# Altium PCB PCB_v1.PcbDoc (part 5 of 8)
Units mil, origin at the board's own origin, x right, y up, seen from the top; angles counter-clockwise.
Board outline 17000 x 5250 mil, 4 copper layers (Top Side, Ground Layer, Power Layer, Bottom Side), stack 33.2 mil thick; 637 components, 583 nets, 2779 pads, 978 vias.
Unrouted connection lines stored in the file: 104.
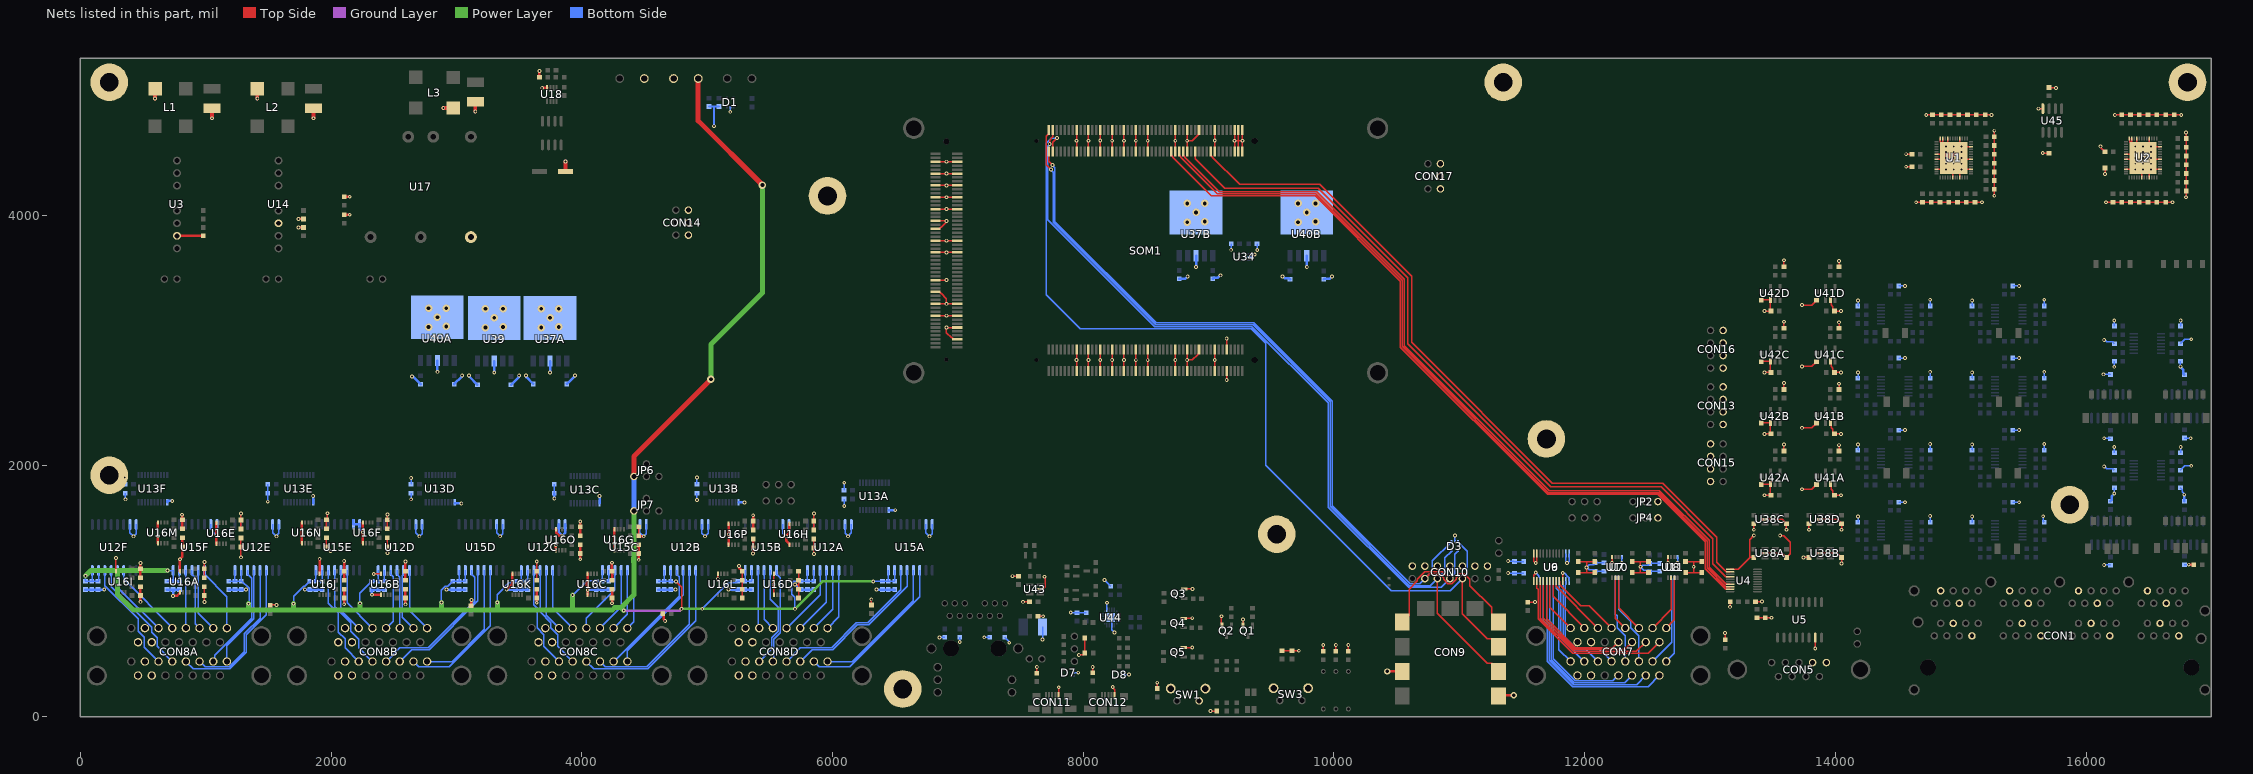
[diagram p7: the nets of this part, all layers, seen from the top]

## Via types
v1: diameter 30, hole 15, Top Side to Bottom Side, 913 vias
v2: diameter 25, hole 15, Top Side to Bottom Side, 30 vias
v3: diameter 60, hole 30, Top Side to Bottom Side, 29 vias
v4: diameter 50, hole 28, Top Side to Bottom Side, 4 vias
v5: diameter 40, hole 20, Top Side to Bottom Side, 2 vias

## Nets (pads, with @x,y where several pads share a name; then routed paths per layer and width w, separated by ;. In a path a pad name is that pad's centre, name@x,y a point inside that pad or via, vN(x,y) a via of type N, cw(c..) or ccw(c..) an arc to the next point about the centre after c; other vN are vias at no path point) (continued)
GND: C1.2 C2.2 C3.2 C4.2 C5.2 C6.2 C7.2 C8.2 C9.2 C10.2 C11.2 C12.2 C13.2 C14.2 C15.2 C16.2 C17.2 C18.2 C19.2 C20.2 C21.2 C22.2 C23.2 C24.2 C25.2 C26.2 C27.2 C28.2 C29.2 C30.2 C31.2 C32.2 C33.2 C34.2 C35.2 C36.2 C37.2 C38.2 C39.2 C40.2 C41.2 C42.2 C43.2 C44.2 C45.2 C46.2 C47.1 C48A.1 C48B.1 C48C.1 C48D.1 C48E.1 C48F.1 C48G.1 C48H.1 C49.2 C50.1 C51.1 C52.1 C53.2 C54.2 C55.2 C56.2 C57.1 C58.1 C59.1 C60.1 C61.2 C62.2 C63.2 C64.2 C65.2 C66.2 C67.2 C68.2 C69.2 C70.2 C71.2 C72.2 C73.2 C74.2 C75.2 C76.2 C77.2 C78.2 C79.2 C80.2 C81.2 C82.2 C83.2 C84.2 C85.2 C86.2 C88.1 C89A.2 C89B.2 C89C.2 C89D.2 C89E.2 C89F.2 C89G.2 C89H.2 C89I.2 C89J.2 C89K.2 C89L.2 C89M.2 C89N.2 C89O.2 C89P.2 C90A.2 C90B.2 C90C.2 C90D.2 C90E.2 C90F.2 C90G.2 C90H.2 C90I.2 C90J.2 C90K.2 C90L.2 C90M.2 C90N.2 C90O.2 C90P.2 C91A.2 C91B.2 C91C.2 C91D.2 C91E.2 C91F.2 C92A.2 C92B.2 C92C.2 C92D.2 C92E.2 C92F.2 C93A.2 C93B.2 C93C.2 C93D.2 C93E.2 C93F.2 C93G.2 C93H.2 C93I.2 C93J.2 C93K.2 C93L.2 C93M.2 C93N.2 C93O.2 C93P.2 C94A.2 C94B.2 C94C.2 C94D.2 C94E.2 C94F.2 C94G.2 C94H.2 C94I.2 C94J.2 C94K.2 C94L.2 C94M.2 C94N.2 C94O.2 C94P.2 C95A.2 C95B.2 C95C.2 C95D.2 C95E.2 C95F.2 C96A.2 C96B.2 C96C.2 C96D.2 C96E.2 C96F.2 C97A.2 C97B.2 C97C.2 C97D.2 C97E.2 C97F.2 C98A.2 C98B.2 C98C.2 C98D.2 C98E.2 C98F.2 C99A.2 C99B.2 C99C.2 C99D.2 C99E.2 C99F.2 C100A.2 C100B.2 C100C.2 C100D.2 C100E.2 C100F.2 C157A.2 C157B.2 C158A.2 C158B.2 C159A.2 C159B.2 C159C.2 C159D.2 C160A.2 C160B.2 C160C.2 C160D.2 C161.2 C162.2 C163A.2 C163B.2 C164A.2 C164B.2 C165A.1 C165B.1 C165C.1 C165D.1 C166A.1 C166B.1 C166C.1 C166D.1 C167A.2 C167B.2 C167C.2 C167D.2 C168A.2 C168B.2 C168C.2 C168D.2 C169.1 C170.1 C171.1 C172.2 C173.2 C174.1 C175.1 C176.1 C177.2 C178.2 C179A.2 C179B.2 C180A.2 C180B.2 C181A.1 C181B.1 C182A.2 C182B.2 C183A.2 C183B.2 C184A.2 C184B.2 C185A.1 C185B.1 C186A.2 C186B.2 C187A.2 C187B.2 C188A.2 C188B.2 C189A.2 C189B.2 C189C.2 C189D.2 C189E.2 C189F.2 C189G.2 C189H.2 C190A.2 C190B.2 C190C.2 C190D.2 C190E.2 C190F.2 C190G.2 C190H.2 CON1.4A CON1.4B CON1.4C CON1.4D CON1.4E CON1.4F CON1.4G CON1.4H CON1.6A CON1.6B CON1.6C CON1.6D CON1.6E CON1.6F CON1.6G CON1.6H CON3.2 CON5.1 CON5.2 CON7.14A CON7.14B CON7.15A CON7.15B CON8A.7A CON8A.7B CON8A.14A CON8A.14B CON8A.15A CON8A.15B CON8B.7A CON8B.7B CON8B.14A CON8B.14B CON8B.15A CON8B.15B CON8C.7A CON8C.7B CON8C.14A CON8C.14B CON8C.15A CON8C.15B CON8D.7A CON8D.7B CON8D.14A CON8D.14B CON8D.15A CON8D.15B CON9.1 CON9.10 CON10.1 CON10.3 CON10.5 CON10.7 CON10.9 CON10.11 CON10.13 CON11.5 CON12.5 CON13.2 CON13.4 CON13.6 CON13.8 CON14.2 CON14.4 CON14.6 CON15.2 CON15.4 CON15.6 CON15.8 CON16.2 CON16.4 CON16.6 CON16.8 CON17.2 CON17.4 CON17.6 D1.2 D3.2 D7.2 D8.2 JP2.1 JP4.1 LED3.C MH1.1 MH2.1 MH3.1 MH4.1 MH5.1 MH6.1 MH7.1 MH8.1 MH9.1 Q1.2 Q2.2 Q3.2 Q4.2 Q5.2 R1.1 R2.1 R3.1 R17.1 R18.1 R20.1 R21.1 R22.1 R23.2 R24.1 R25.2 R26A.1 R26B.1 R26C.1 R26D.1 R39A.1 R39B.1 R39C.1 R39D.1 R40A.2 R40B.2 R40C.2 R40D.2 R46.2 R53.2 SOM1.JX1-15 SOM1.JX1-16 SOM1.JX1-21 SOM1.JX1-22 SOM1.JX1-27 SOM1.JX1-28 SOM1.JX1-33 SOM1.JX1-34 SOM1.JX1-39 SOM1.JX1-40 SOM1.JX1-45 SOM1.JX1-46 SOM1.JX1-51 SOM1.JX1-52 SOM1.JX1-65 SOM1.JX1-66 SOM1.JX1-71 SOM1.JX1-72 SOM1.JX1-77 SOM1.JX1-85 SOM1.JX1-86 SOM1.JX1-95 SOM1.JX1-96 SOM1.JX1-97 SOM1.JX1-98 SOM1.JX1-99 SOM1.JX1-100 SOM1.JX2-15 SOM1.JX2-16 SOM1.JX2-21 SOM1.JX2-22 SOM1.JX2-27 SOM1.JX2-28 SOM1.JX2-33 SOM1.JX2-34 SOM1.JX2-39 SOM1.JX2-40 SOM1.JX2-45 SOM1.JX2-46 SOM1.JX2-51 SOM1.JX2-52 SOM1.JX2-65 SOM1.JX2-66 SOM1.JX2-71 SOM1.JX2-72 SOM1.JX2-77 SOM1.JX2-85 SOM1.JX2-86 SOM1.JX2-91 SOM1.JX2-92 SOM1.JX3-6 SOM1.JX3-12 SOM1.JX3-17 SOM1.JX3-18 SOM1.JX3-23 SOM1.JX3-24 SOM1.JX3-29 SOM1.JX3-35 SOM1.JX3-49 SOM1.JX3-50 SOM1.JX3-55 SOM1.JX3-56 SOM1.JX3-61 SOM1.JX3-65 SOM1.JX3-71 SOM1.JX3-72 SOM1.JX3-77 SOM1.JX3-78 SOM1.JX3-83 SOM1.JX3-84 SOM1.JX3-89 SOM1.JX3-90 SOM1.JX3-95 SOM1.JX3-96 SW1.2 SW1.SH SW3.SH U1.3 U1.7 U1.12 U1.18 U1.23 U1.25 U1.26 U1.32 U1.34 U1.38 U1.46 U1.49 U1.53 U2.3 U2.7 U2.12 U2.18 U2.23 U2.25 U2.26 U2.32 U2.34 U2.38 U2.46 U2.49 U2.53 U3.7 U4.11 U5.7 U6.11 U6.12 U6.13 U6.22 U7.4 U8.4 U9.11 U9.12 U9.13 U9.22 U10.4 U11.4 U12A.7 U12A.8 U12B.7 U12B.8 U12C.7 U12C.8 U12D.7 U12D.8 U12E.7 U12E.8 U12F.7 U12F.8 U13A.11 U13B.11 U13C.11 U13D.11 U13E.11 U13F.11 U14.6 U15A.7 U15A.8 U15B.7 U15B.8 U15C.7 U15C.8 U15D.7 U15D.8 U15E.7 U15E.8 U15F.7 U15F.8 U16A.4 U16A.5 U16B.4 U16B.5 U16C.4 U16C.5 U16D.4 U16D.5 U16E.4 U16E.5 U16F.4 U16F.5 U16G.4 U16G.5 U16H.4 U16H.5 U16I.4 U16J.4 U16K.4 U16L.4 U16M.4 U16M.5 U16N.4 U16N.5 U16O.4 U16O.5 U16P.4 U16P.5 U17.4 U34.2 U37A.3 U37A.6 U37B.3 U37B.6 U38A.2 U38B.2 U38C.2 U38D.2 U39.3 U39.6 U40A.3 U40A.6 U40B.3 U40B.6 U41A.2 U41B.2 U41C.2 U41D.2 U42A.1 U42B.1 U42C.1 U42D.1 U43.2 U44.3 U44.12 U44.21 U45.4 | length 39573.9
  Top Side w10: U16I.4@283.23,1157.87 v1(283.23,1265.31) ; v1(988.46,912.85) C94A.2@988.46,1036.67 ; C89A.2@988.46,1108.33 v1(988.46,1233.46) ; v1(1280.24,1270.24) C94E.2@1280.24,1424.56 ; C89E.2@1280.24,1496.23 v1(1280.24,1619.76) ; R26A.1@1514.76,888.59 1516.18,890 1564,890 v1@1565,889 ; C94N.2@1962.35,1426.67 C90N.2@1962.35,1355 1995.71,1321.64 v1(1995.71,1318.92) ; C89N.2@1962.35,1498.33 C93N.2@1962.35,1570 1970,1577.65 v1@1970,1615 ; v1(2340,1137.87) U16B.4@2397.46,1137.87 ; C94F.2@2448.46,1426.67 C90F.2@2448.46,1355 2448.65,1354.82 v1(2448.65,1305) ; C89F.2@2448.46,1498.33 v1(2448.46,1611.54) ; C89K.2@3640.53,1088.33 v1(3640.53,1236.54) ; C89G.2@4454,1443.33 C93G.2@4454,1515 ; v1(5084.91,1099.91) U16L.4@5084.91,1137.87 ; C90L.2@5280.14,945 C93L.2@5280.14,1160 ; v1(5530,1052.4) 5531.61,1050.79 5531.61,973.72 U16D.5@5533.23,972.11 ; v1@5533.23,1050 5531.61,1051.61 5531.61,1136.26 U16D.4@5533.23,1137.87 ; v1(5700,1052.4) 5700.1,1052.5 5728.46,1052.5 ; C90D.2@5728.46,945 5728.46,1052.5 ; C93D.2@5728.46,1160 5728.46,1052.5 ; v1(5851,1296) C94H.2@5851,1416.23 ; C89H.2@5851,1487.89 C93H.2@5851,1559.56 v1(5851,1620) ; v1(6309.69,935) 6309.69,889.59 R26D.1@6310,889.28 ; SOM1.JX3-17@6821.69,3198.2 v1(6908.31,3198.2) SOM1.JX3-18@6994.92,3198.2 ; SOM1.JX3-23@6821.69,3292.69 v1(6908.31,3292.69) ; SOM1.JX3-29@6821.69,3387.18 6851.69,3387.18 6863.19,3375.68 6865.84,3375.68 6908.31,3333.21 v1(6908.31,3292.69) ; SOM1.JX3-35@6821.69,3481.67 v1(6908.31,3481.66) ; SOM1.JX3-49@6821.69,3702.14 v1(6908.31,3702.14) SOM1.JX3-50@6994.92,3702.14 ; SOM1.JX3-55@6821.69,3796.63 v1(6908.31,3796.63) SOM1.JX3-56@6994.92,3796.62 ; SOM1.JX3-61@6821.69,3891.11 6851.69,3891.11 6863.19,3902.61 6865.84,3902.61 6904.48,3941.25 6904.48,3950.28 v1(6908.31,3954.11) SOM1.JX3-65@6821.69,3954.11 ; SOM1.JX3-71@6821.69,4048.59 v1(6908.31,4048.59) SOM1.JX3-72@6994.92,4048.59 ; SOM1.JX3-77@6821.69,4143.08 v1(6908.31,4143.08) SOM1.JX3-78@6994.92,4143.08 ; SOM1.JX3-83@6821.69,4237.57 v1(6908.31,4237.57) SOM1.JX3-84@6994.92,4237.57 ; SOM1.JX3-89@6821.69,4332.06 v1(6908.31,4332.06) SOM1.JX3-90@6994.92,4332.06 ; SOM1.JX3-95@6821.69,4426.55 v1(6908.31,4426.54) SOM1.JX3-96@6994.92,4426.54 ; SOM1.JX3-6@6994.92,3009.22 6964.92,3009.22 6953.43,3020.72 6950.78,3020.72 6908.31,3063.19 v1(6908.31,3103.71) SOM1.JX3-12@6994.92,3103.71 ; SOM1.JX3-24@6994.92,3292.69 v1(6908.31,3292.69) ; v1(7435,1120) 7483.46,1120 R24.1@7483.7,1120.24 ; v1(7520,915) C169.1@7571.54,915 ; R46.2@7630,346.5 v1(7630,395) ; C171.1@7638.46,800 v1(7680,800) ; U43.2@7657.32,1015 7675.04,1015 7695.87,1035.83 7695.87,1103.69 7689.97,1109.59 v1(7689.97,1115) ; CON11.5@7803.54,167.4 7804.39,168.25 v1(7804.39,234.15) ; SOM1.JX2-16@7947.13,2756.77 v1(7947.13,2845) SOM1.JX2-15@7947.13,2930 ; SOM1.JX1-16@7947.13,4506.77 v1(7947.13,4593.39) SOM1.JX1-15@7947.13,4680 ; v1(7965,490) 7967.87,492.87 7999.09,492.87 C173.2@8012.8,506.57 C172.2@8012.8,626.57 ; SOM1.JX2-22@8041.61,2756.77 v1(8041.61,2845) SOM1.JX2-21@8041.61,2930 ; SOM1.JX1-22@8041.61,4506.77 v1(8041.61,4593.39) SOM1.JX1-21@8041.61,4680 ; v1(8075,395) 8075,351.3 R53.2@8076.26,350.04 ; SOM1.JX2-28@8136.1,2756.77 v1(8136.1,2845) SOM1.JX2-27@8136.1,2930 ; SOM1.JX1-28@8136.1,4506.77 v1(8136.1,4595) SOM1.JX1-27@8136.1,4680 ; SOM1.JX2-34@8230.59,2756.77 v1(8230.59,2845) SOM1.JX2-33@8230.59,2930 ; SOM1.JX1-34@8230.59,4506.77 v1(8230.59,4593.39) SOM1.JX1-33@8230.59,4680 ; v1(8235,235) 8235,229.59 8250.91,213.68 CON12.5@8250.91,167.4 ; SOM1.JX2-40@8325.08,2756.77 v1(8325.08,2845) SOM1.JX2-39@8325.08,2930 ; SOM1.JX1-40@8325.08,4506.77 v1(8325.08,4593.39) SOM1.JX1-39@8325.08,4680 ; SOM1.JX2-46@8419.57,2756.77 v1(8419.57,2843.39) SOM1.JX2-45@8419.57,2930 ; SOM1.JX1-46@8419.57,4506.77 v1(8419.57,4593.39) SOM1.JX1-45@8419.57,4680 ; SOM1.JX2-52@8514.05,2756.77 v1(8514.06,2843.39) SOM1.JX2-51@8514.06,2930 ; SOM1.JX1-52@8514.05,4506.77 v1(8514.06,4593.39) SOM1.JX1-51@8514.06,4680 ; C50.1@8590,223.46 v1(8590,270.14) ; SOM1.JX2-66@8734.53,2756.77 v1(8734.53,2845) SOM1.JX2-65@8734.53,2930 ; SOM1.JX1-66@8734.53,4506.77 v1(8734.53,4593.38) SOM1.JX1-65@8734.53,4680 ; Q5.2@8800.6,549.8 v1(8869.26,549.8) ; Q4.2@8800.6,783.22 8801.39,784.01 8868.47,784.01 v1(8869.26,784.8) ; Q3.2@8804.96,1017.2 8806.26,1018.5 v1(8870.98,1018.5) v1@8872.28,1019.8 ; SOM1.JX2-72@8829.01,2756.77 v1(8829.02,2845) ; SOM1.JX2-71@8829.02,2930 v1(8829.02,2845) ; SOM1.JX1-72@8829.01,4506.77 v1(8829.02,4593.39) ; SOM1.JX1-71@8829.02,4680 v1(8829.02,4593.39) ; SOM1.JX2-77@8923.5,2930 8923.5,2900 8912.01,2888.5 8912.01,2885.86 8871.15,2845 v1(8829.02,2845) ; SOM1.JX1-77@8923.5,4680 8923.5,4650 8912.01,4638.5 8912.01,4635.86 8869.54,4593.39 v1(8829.02,4593.39) ; v1(9015,44.13) LED3.C@9065,44.13 ; SOM1.JX2-86@9049.49,2756.77 v1(9049.49,2845) SOM1.JX2-85@9049.49,2930 ; SOM1.JX1-86@9049.49,4506.77 v1(9049.49,4595) SOM1.JX1-85@9049.49,4680 ; v1(9102.35,800) 9102.35,805 9102.35,742.77 9106.34,738.78 Q2.2@9106.34,725 ; v1(9143.97,2685) SOM1.JX2-92@9143.97,2756.77 ; SOM1.JX2-91@9143.98,2930 v1(9143.97,3015) ; SOM1.JX1-96@9206.97,4506.77 v1(9206.97,4593.38) ; SOM1.JX1-95@9206.97,4680 v1(9206.97,4593.38) ; SOM1.JX1-98@9238.46,4506.77 9238.46,4593.39 ; SOM1.JX1-97@9238.46,4680 9238.46,4593.39 ; SOM1.JX1-100@9269.96,4506.77 v1(9269.96,4593.39) ; SOM1.JX1-99@9269.96,4680 v1(9269.96,4593.39) ; v1(9275,775) 9275.67,774.33 9275.67,725.67 Q1.2@9276.34,725 ; R18.1@9585,526.06 C52.1@9665,526.06 9666.06,525 v1(9720,525) ; R22.1@9915,521.06 v1(9915,570) ; R21.1@10015,521.06 v1(10015,570) ; R20.1@10115,521.06 v1(10115,570) ; R25.2@11547.37,912.85 11547.51,912.98 v1(11605,912.98) ; U6.13@11594.25,1079.76 11594.25,1128.84 11610,1144.59 v1(11610,1150) ; U6.12@11594.25,1300.24 11594.25,1240.75 v1(11610,1225) 11614.25,1229.25 11614.25,1233.81 11619.84,1239.4 U6.11@11619.84,1300.24 ; U6.22@11824.57,1079.76 11824.78,1079.98 11824.78,1144.78 v1(11825,1145) ; C61.2@11950,1148.46 12015,1148.46 ; C64.2@11950,1236.54 12015,1236.54 ; C63.2@12080,1148.46 12015,1148.46 ; C62.2@12080,1236.54 12015,1236.54 ; v1(12219.21,1226.54) U7.4@12219.21,1272.88 ; C67.2@12380,1148.46 12445,1148.46 ; C68.2@12380,1236.54 12445,1236.54 ; C65.2@12510,1148.46 12445,1148.46 ; C66.2@12510,1236.54 12445,1236.54 ; v1(12665,1226.54) U8.4@12665,1272.88 ; C70.2@12805,1236.54 12870,1236.54 ; C69.2@12805.59,1148.46 12870,1148.46 ; C71.2@12935,1148.46 12870,1148.46 ; C72.2@12935,1236.54 12870,1236.54 ; R23.2@13120.87,612.52 v1(13120.87,666.16) ; v1(13160,875) 13160,914.49 C56.2@13160.75,915.24 ; U4.11@13160.75,1173.82 13226.94,1173.82 13322.06,1268.94 ; C159A.2@13350,1268.94 13322.06,1268.94 ; v1(13350,1445) 13316.21,1411.21 13316.21,1274.79 13322.06,1268.94 ; v1(13350,1490) C159C.2@13350,1538.94 ; C54.2@13363.46,915.24 13365,916.77 v1(13415,916.77) ; C55.2@13375,788.19 v1(13490,788.19) ; C168A.2@13410,1851.54 13411.89,1853.43 U42A.1@13482.6,1853.43 13482.6,1768.94 C167A.2@13486.54,1765 v1(13435,1765) ; C168B.2@13410,2341.54 13411.89,2343.43 U42B.1@13482.6,2343.43 13482.6,2258.94 C167B.2@13486.54,2255 v1(13435,2255) ; C168C.2@13410,2831.54 13411.89,2833.43 U42C.1@13482.6,2833.43 13482.6,2748.94 C167C.2@13486.54,2745 v1(13435,2745) ; C168D.2@13410,3321.54 13411.89,3323.43 U42D.1@13482.6,3323.43 13482.6,3238.94 C167D.2@13486.54,3235 v1(13435,3235) ; U38A.2@13437.68,1302.4 13576.54,1302.4 C160A.2@13610,1268.94 13638.7,1297.64 13638.7,1391.65 13589.18,1441.17 13563.83,1441.17 v1(13560,1445) ; U38C.2@13437.68,1572.4 13576.54,1572.4 C160C.2@13610,1538.94 v1(13610,1490) ; R40A.2@13590,2118.46 v1(13590,2170) ; R40B.2@13590,2608.46 v1(13590,2660) ; R40C.2@13590,3098.46 v1(13590,3150) ; R40D.2@13590,3588.46 v1(13590,3640) ; v1(13735,1813) 13811.46,1813 C166A.1@13850,1851.54 ; v1(13735,2303) 13811.46,2303 C166B.1@13850,2341.54 ; v1(13735,2793) 13811.46,2793 C166C.1@13850,2831.54 ; v1(13735,3283) 13811.46,3283 C166D.1@13850,3321.54 ; v1(13746,1268.94) C159B.2@13790,1268.94 ; v1(13790,1490) C159D.2@13790,1538.94 ; v1(13840,543.03) U5.7@13840,629.52 ; U38B.2@13877.68,1302.4 14016.54,1302.4 C160B.2@14050,1268.94 v1(14050,1220) ; U38D.2@13877.68,1572.4 14016.54,1572.4 C160D.2@14050,1538.94 v1(14050,1490) ; U41A.2@13960,1853.43 13965.63,1847.8 13965.63,1814.41 13979.76,1800.28 13979.76,1778.7 C165A.1@13993.46,1765 v1(14045,1765) ; U41B.2@13960,2343.43 13965.63,2337.8 13965.63,2304.41 13979.76,2290.28 13979.76,2268.7 C165B.1@13993.46,2255 v1(14045,2255) ; U41C.2@13960,2833.43 13965.63,2827.8 13965.63,2794.41 13979.76,2780.28 13979.76,2758.7 C165C.1@13993.46,2745 v1(14045,2745) ; U41D.2@13960,3323.43 13965.63,3317.8 13965.63,3284.41 13979.76,3270.28 13979.76,3248.7 C165D.1@13993.46,3235 v1(14045,3235) ; R39A.1@14030,2118.46 v1(14030,2165) ; R39B.1@14030,2608.46 v1(14030,2655) ; R39C.1@14030,3098.46 v1(14030,3145) ; R39D.1@14030,3588.46 v1(14030,3635) ; v1(14565,4386.54) C10.2@14611.54,4386.54 ; v1(14565,4486.54) C5.2@14611.54,4486.54 ; v1(14645,4103.07) v1(15170,4103.07) ; v1(14725.16,4800) v1(15245,4800) ; U1.38@14809,4367.95 14856.42,4367.95 U1.53@14935.16,4446.69 ; U1.34@14809,4446.69 U1.53@14935.16,4446.69 ; U1.32@14809,4486.06 U1.53@14915.47,4486.06 ; U1.26@14836.73,4612.04 14837.73,4611.04 14837.73,4584.28 14856.42,4565.59 U1.53@14856.42,4565 ; U1.25@14856.42,4612.04 U1.53@14856.42,4565 ; U1.23@14895.79,4612.04 U1.53@14895.79,4505.75 ; U1.46@14935.16,4301.04 U1.53@14935.16,4446.69 ; U1.49@14994.21,4301.04 U1.53@14994.21,4407.32 ; U1.18@14994.21,4612.04 U1.53@14994.21,4505.75 ; U1.3@15081,4367.95 15033.58,4367.95 U1.53@14994.21,4407.32 ; U1.7@15081,4446.69 U1.53@14954.84,4446.69 ; U1.12@15081,4545.12 15033.58,4545.12 U1.53@14994.21,4505.75 ; v1(15268.46,4155) v1(15268.46,4674.33) ; v1(15620,4849.49) U45.4@15655.25,4849.49 ; v1(15655,4495) C178.2@15705,4495 ; C177.2@15705,5018.46 15708.46,5015 v1(15760,5015) ; v1(16115,4549.04) 16118.83,4545.21 16118.83,4539.24 C28.2@16151.54,4506.54 ; v1(16151.54,4329.27) C35.2@16151.54,4375.8 ; v1(16160,4103.07) v1(16690,4103.07) ; v1(16230,4800) v1(16760,4800) ; U2.38@16319,4367.95 16366.42,4367.95 U2.53@16445.16,4446.69 ; U2.34@16319,4446.69 U2.53@16445.16,4446.69 ; U2.32@16319,4486.06 U2.53@16425.47,4486.06 ; U2.26@16346.73,4612.04 16347.73,4611.04 16347.73,4584.28 16366.42,4565.59 U2.53@16366.42,4565 ; U2.25@16366.42,4612.04 U2.53@16366.42,4565 ; U2.23@16405.79,4612.04 U2.53@16405.79,4505.75 ; U2.46@16445.16,4301.04 U2.53@16445.16,4446.69 ; U2.49@16504.21,4301.04 U2.53@16504.21,4407.32 ; U2.18@16504.21,4612.04 U2.53@16504.21,4505.75 ; U2.3@16591,4367.95 16543.58,4367.95 U2.53@16504.21,4407.32 ; U2.7@16591,4446.69 U2.53@16464.84,4446.69 ; U2.12@16591,4545.12 16543.58,4545.12 U2.53@16504.21,4505.75 ; v1(16798.46,4143.08) v1(16798.46,4660) ; v1(9206.97,4593.38) 9238.46,4593.39 ; 9238.46,4593.39 v1(9269.96,4593.39) ; 12015,1148.46 12015,1236.54 ; 12445,1148.46 12445,1236.54 ; 12870,1148.46 12870,1236.54 ; U1.53@14856.42,4565 14856.42,4545.12 U1.53@14895.79,4505.75 ; U1.53@14895.79,4505.75 U1.53@14915.47,4486.06 ; U1.53@14915.47,4486.06 v2(14945,4456.54) ; U1.53@14935.16,4446.69 v2(14945,4456.54) ; v2(14945,4456.54) U1.53@14954.84,4446.69 ; v2(14945,4456.54) U1.53@14994.21,4505.75 ; U1.53@14954.84,4446.69 U1.53@14994.21,4407.32 ; U2.53@16366.42,4565 16366.42,4545.12 U2.53@16405.79,4505.75 ; U2.53@16405.79,4505.75 U2.53@16425.47,4486.06 ; U2.53@16425.47,4486.06 v2(16455,4456.54) ; U2.53@16445.16,4446.69 v2(16455,4456.54) ; v2(16455,4456.54) U2.53@16464.84,4446.69 ; v2(16455,4456.54) U2.53@16504.21,4505.75 ; U2.53@16464.84,4446.69 U2.53@16504.21,4407.32
  Top Side w20: v1(478.46,915) C94I.2@478.46,1036.67 ; C89I.2@478.46,1108.33 v1(478.46,1225) ; U16M.5@618.23,1382.11 U16M.4@618.23,1547.87 ; v1(738.31,961.69) 740.22,963.61 770.5,963.61 793.23,986.34 U16A.5@793.23,992.11 ; U3.7@770,3835.29 C47.1@980,3835.29 ; U16A.4@793.23,1157.87 793.23,1257.71 813.46,1277.94 C94M.2@813.46,1426.67 ; v1(810,1610) 811.73,1608.27 811.73,1571.73 C93M.2@813.46,1570 C89M.2@813.46,1498.33 ; U16E.5@1085,1380 U16E.4@1085,1545.77 ; v1(1740,3902.21) C49.2@1780,3902.21 ; v1(1740,3970) R2.1@1780,3970 ; U16N.4@1765,1545.77 U16N.4@1767.11,1547.87 U16N.5@1767.11,1382.11 ; U16J.4@1908.23,1137.87 v1(1908.23,1258.23) ; v1(2103.46,895.69) C94J.2@2103.46,1016.67 ; C89J.2@2103.46,1088.33 v1(2103.46,1240) ; C88.1@2103.46,4003.46 v1(2148.46,4003.46) ; R3.1@2103.46,4147.02 v1(2148.46,4147.02) ; U16F.5@2253.23,1382.11 U16F.4@2253.23,1547.87 ; v1(2325,972.11) U16B.5@2397.46,972.11 ; v1(2592.7,895) C94B.2@2592.7,1016.67 ; C89B.2@2592.7,1088.33 v1(2592.7,1236.54) ; R26B.1@3115.03,883.46 3118.09,886.52 3118.09,928.09 v1(3120,930) ; v1(3400,1012.83) 3445.3,1058.13 U16K.4@3445.3,1137.87 ; v1(3640.53,907.88) C94K.2@3640.53,1016.67 ; U16O.5@3792.24,1327.11 v1(3792.24,1367.76) ; U16O.4@3792.24,1492.87 3793.98,1491.14 3793.98,1469.75 3819.75,1443.98 3841.93,1443.98 v1(3843.84,1442.06) ; v1(3987.48,1255) C94O.2@3987.48,1371.67 ; C89O.2@3987.48,1443.33 v1(3987.48,1555) ; U16C.5@4045.38,972.11 4046.26,972.99 4046.26,1009.11 v1(4047.15,1010) 4047.15,1012.71 4045.38,1014.48 4045.38,1040.7 4038.5,1047.57 4038.5,1072.43 4045.38,1079.3 U16C.4@4045.38,1137.87 ; v1(4240,1226.54) 4240.31,1226.23 4240.31,1160.31 C93C.2@4240.61,1160 C89C.2@4240.61,1088.33 ; v1(4240.61,903.89) C94C.2@4240.61,1016.67 ; U16G.5@4258.76,1327.11 U16G.4@4258.76,1492.87 ; v1(4454,1250) C94G.2@4454,1371.67 ; C89G.2@4454,1443.33 4457.82,1439.51 4491.39,1439.51 v1(4493.31,1437.6) ; R26C.1@4645,820 4653.7,811.3 4653.7,774.92 4664.38,764.24 v1(4664.38,761.54) ; U16P.5@5171.41,1371.67 U16P.4@5171.41,1537.43 ; v1(5254.59,1200) 5256.5,1198.09 5256.5,1183.64 C93L.2@5280.14,1160 ; v1(5366,1300) 5366.32,1300.32 5366.32,1344.24 C90P.2@5366.65,1344.56 C94P.2@5366.65,1416.23 ; C89P.2@5366.65,1487.89 v1(5366.65,1605.58) ; U16H.5@5655.76,1371.67 5655.76,1377.43 5630.22,1402.98 5630.22,1435.69 v1(5628.31,1437.6) 5628.31,1440.3 5655.76,1467.76 U16H.4@5655.76,1537.43 ; v4(10425,360) CON9.10@10545,360 ; CON9.1@11312.72,163.15 11319.57,170 v4(11435,170) ; v1(16820,1211.54) 16820.77,1210.77 16859.23,1210.77 R1.1@16860,1210
  Bottom Side w10: v1(353.31,1907.6) 353.31,1855.46 C92F.2@356.17,1852.6 ; C91F.2@356.17,1782.6 358.31,1780.46 v1(358.31,1732.6) ; U12F.7@394.63,1532.09 394.63,1466.28 v1(423.31,1437.6) 444.63,1458.92 U12F.8@444.63,1532.09 ; U15F.7@1039.63,1533.62 1039.63,1502.13 1060.35,1481.4 1060.35,1471.71 v1(1085,1447.06) 1085,1452.47 1089.63,1457.11 U15F.8@1089.63,1533.62 ; v1(1494.24,1714.24) C92E.2@1494.24,1852.6 ; U12E.7@1532.7,1532.09 1532.7,1468.2 v1(1563.31,1437.6) 1563.31,1441.24 1582.7,1460.63 U12E.8@1582.7,1532.09 ; C91D.2@2637.31,1782.6 2638.31,1781.6 v1(2638.31,1732.6) ; C92D.2@2637.31,1852.6 2638.31,1853.6 v1(2638.31,1902.6) ; U12D.7@2675.77,1532.09 2675.38,1531.69 2675.38,1465.53 v1(2703.31,1437.6) 2725.38,1459.67 2725.38,1531.69 U12D.8@2725.77,1532.09 ; U15D.7@3320.77,1533.62 3320.38,1533.23 3320.38,1465.53 v1(3348.31,1437.6) 3370.38,1459.67 3370.38,1533.23 U15D.8@3370.77,1533.62 ; C91C.2@3780.38,1782.6 C92C.2@3780.38,1852.6 ; U15C.7@4463.84,1533.62 4463.84,1467.06 v1(4493.31,1437.6) 4493.31,1438.95 4513.84,1459.49 U15C.8@4513.84,1533.62 ; v1(4918.31,1907.6) 4918.31,1852.74 C92B.2@4918.45,1852.6 ; v1@4918.45,1727.74 4918.31,1727.88 4918.31,1782.46 C91B.2@4918.45,1782.6 ; U12B.7@4956.91,1532.09 4958.45,1530.55 4958.45,1462.46 v1(4983.31,1437.6) 5008.45,1462.74 5008.45,1530.55 U12B.8@5006.91,1532.09 ; U15B.7@5601.91,1533.62 5603.45,1532.09 5603.45,1462.46 v1(5628.31,1437.6) 5653.45,1462.74 5653.45,1532.09 U15B.8@5651.91,1533.62 ; C91A.2@6091.52,1734.96 6093.31,1733.17 v1(6093.31,1679.96) ; C92A.2@6091.52,1804.96 6093.31,1806.75 v1(6093.31,1864.96) ; U12A.7@6099.98,1532.09 6099.98,1460.92 v1(6123.31,1437.6) 6149.98,1464.28 U12A.8@6149.98,1532.09 ; U15A.7@6744.98,1533.62 6744.98,1465.92 v1(6773.31,1437.6) 6794.98,1459.28 U15A.8@6794.98,1533.62 ; v1(6853,630.59) 6893.62,630.59 C57.1@6895,631.97 ; C58.1@7015,631.97 7015.08,631.89 v1(7015.08,594) ; v1(7210,631.63) 7254.66,631.63 C59.1@7255,631.97 ; C60.1@7375,631.97 7406.17,600.8 7406.17,592.86 v1(7410,589.03) ; v1(7675,615) C170.1@7675,715 ; v1(7900,830) 7948.46,830 C175.1@7950,828.46 C174.1@8025,828.46 ; D7.2@7922.4,350 v1(7960,350) ; v1(8170,1090) 8170,1088.46 C176.1@8220,1038.46 ; U44.12@8189.41,850.83 v1(8189.41,907.88) ; U44.21@8228.78,799.84 U44.3@8228.78,728.98 8229.15,728.61 8229.15,691.58 8250,670.73 v1(8250,670) ; D8.2@8327.4,335 v1(8365,335) ; C86.2@9179.65,3771.54 9180,3771.18 v1(9180,3723.07) ; U34.2@9320.51,3666.54 9323.39,3669.41 9345.57,3669.41 9362.7,3686.54 v1(9368.11,3686.54) ; C85.2@9386.58,3771.54 9388.11,3770 v1(9388.11,3721.54) ; D3.2@10964.18,1397.4 10964.59,1397.81 10964.59,1444.59 v1(10965,1445) ; v1(11390,1145) 11438.46,1145 C75.2@11440,1143.46 C73.2@11515,1143.46 ; v1(11390,1240) 11436.54,1240 C76.2@11440,1236.54 C74.2@11515,1236.54 ; v1(11610,1150) 11635.75,1124.25 11635.75,1115.04 11645.43,1105.35 U9.22@11645.43,1079.76 ; v1(11825,1145) 11828.83,1141.17 11840.29,1141.17 11866.06,1115.4 11866.06,1115.04 11875.75,1105.35 U9.13@11875.75,1079.76 ; U9.11@11850.16,1300.24 11850.16,1239.4 11855.75,1233.81 11855.75,1229.25 v1(11860,1225) 11875.75,1240.75 U9.12@11875.75,1300.24 ; C77.2@12155,1158.46 C79.2@12085,1158.46 12071.3,1172.17 12038.25,1172.17 12020.41,1190 v1(12015,1190) 12037.83,1212.83 12071.3,1212.83 C80.2@12085,1226.54 C78.2@12155,1226.54 ; v1(12296.77,1226.54) U10.4@12296.77,1272.87 ; C83.2@12600,1158.46 12525,1158.46 C81.2@12520,1153.46 12506.3,1167.17 12472.83,1167.17 v1(12445,1195) 12450.41,1195 12463.25,1207.83 12506.3,1207.83 C84.2@12520,1221.54 C82.2@12600,1221.54 ; v1(12741.77,1226.54) U11.4@12741.77,1272.87 ; C189B.2@14179.7,1550 14181.63,1551.93 v1(14181.63,1595) ; C189D.2@14179.7,2125 14181.63,2126.93 v1(14181.63,2170) ; C189F.2@14179.7,2700 14181.63,2701.93 v1(14181.63,2745) ; C189H.2@14179.7,3275 14181.63,3276.93 v1(14181.63,3320) ; C48B.1@14506.63,1710 v1(14556.63,1710) ; C48D.1@14506.63,2285 v1(14556.63,2285) ; C48F.1@14506.63,2860 v1(14556.63,2860) ; C48H.1@14506.63,3435 v1(14556.63,3435) ; C190B.2@14756.63,1550 v1(14756.63,1600) ; C190D.2@14756.63,2125 v1(14756.63,2175) ; C190F.2@14756.63,2700 v1(14756.63,2750) ; C190H.2@14756.63,3275 v1(14756.63,3325) ; C189A.2@15089.7,1550 15091.63,1551.93 v1(15091.63,1595) ; C189C.2@15089.7,2125 15091.63,2126.93 v1(15091.63,2170) ; C189E.2@15089.7,2700 15091.63,2701.93 v1(15091.63,2745) ; C189G.2@15089.7,3275 15091.63,3276.93 v1(15091.63,3320) ; C48A.1@15416.63,1710 v1(15466.63,1710) ; C48C.1@15416.63,2285 v1(15466.63,2285) ; C48E.1@15416.63,2860 v1(15466.63,2860) ; C48G.1@15416.63,3435 v1(15466.63,3435) ; v1(15658.31,1598.07) 15658.31,1558.32 C190A.2@15666.63,1550 ; C190C.2@15666.63,2125 v1(15666.63,2175) ; C190E.2@15666.63,2700 v1(15666.63,2750) ; C190G.2@15666.63,3275 v1(15666.63,3325) ; v1(16140,2730) 16193.46,2730 C179A.2@16195,2728.46 ; v1(16145,1210) 16191.54,1210 C180B.2@16195,1206.54 ; v1(16145,1995) 16150.41,1995 16166.71,1978.7 16212.83,1978.7 C187B.2@16226.54,1965 ; v1(16145,2220) 16191.54,2220 C180A.2@16195,2216.54 ; v1(16145,3005) 16150.41,3005 16166.71,2988.7 16212.83,2988.7 C187A.2@16226.54,2975 ; v1(16225,1780) 16225,1823.46 C181B.1@16226.54,1825 ; v1(16225,2150) 16225,2106.54 C182B.2@16226.54,2105 ; v1(16225,2790) 16225,2833.46 C181A.1@16226.54,2835 ; v1(16225,3160) 16225,3116.54 C182A.2@16226.54,3115 ; C186B.2@16753.46,1825 16767.17,1811.3 16767.17,1791.71 16783.46,1775.41 v1(16783.46,1770) ; C188B.2@16753.46,1965 16788.46,2000 v1(16840,2000) ; C185B.1@16753.46,2105 16755,2106.54 v1(16755,2150) ; v1@16753.46,2791.54 16753.31,2791.69 16753.31,2834.84 C186A.2@16753.46,2835 ; C188A.2@16753.46,2975 16788.46,3010 v1(16840,3010) ; C185A.1@16753.46,3115 16755,3116.54 v1(16755,3160) ; C184B.2@16785,1211.54 v1(16820,1211.54) ; C184A.2@16785,2221.54 16786.54,2220 v1(16835,2220)